# KiCad board FP Interface Card.kicad_pcb (continued)
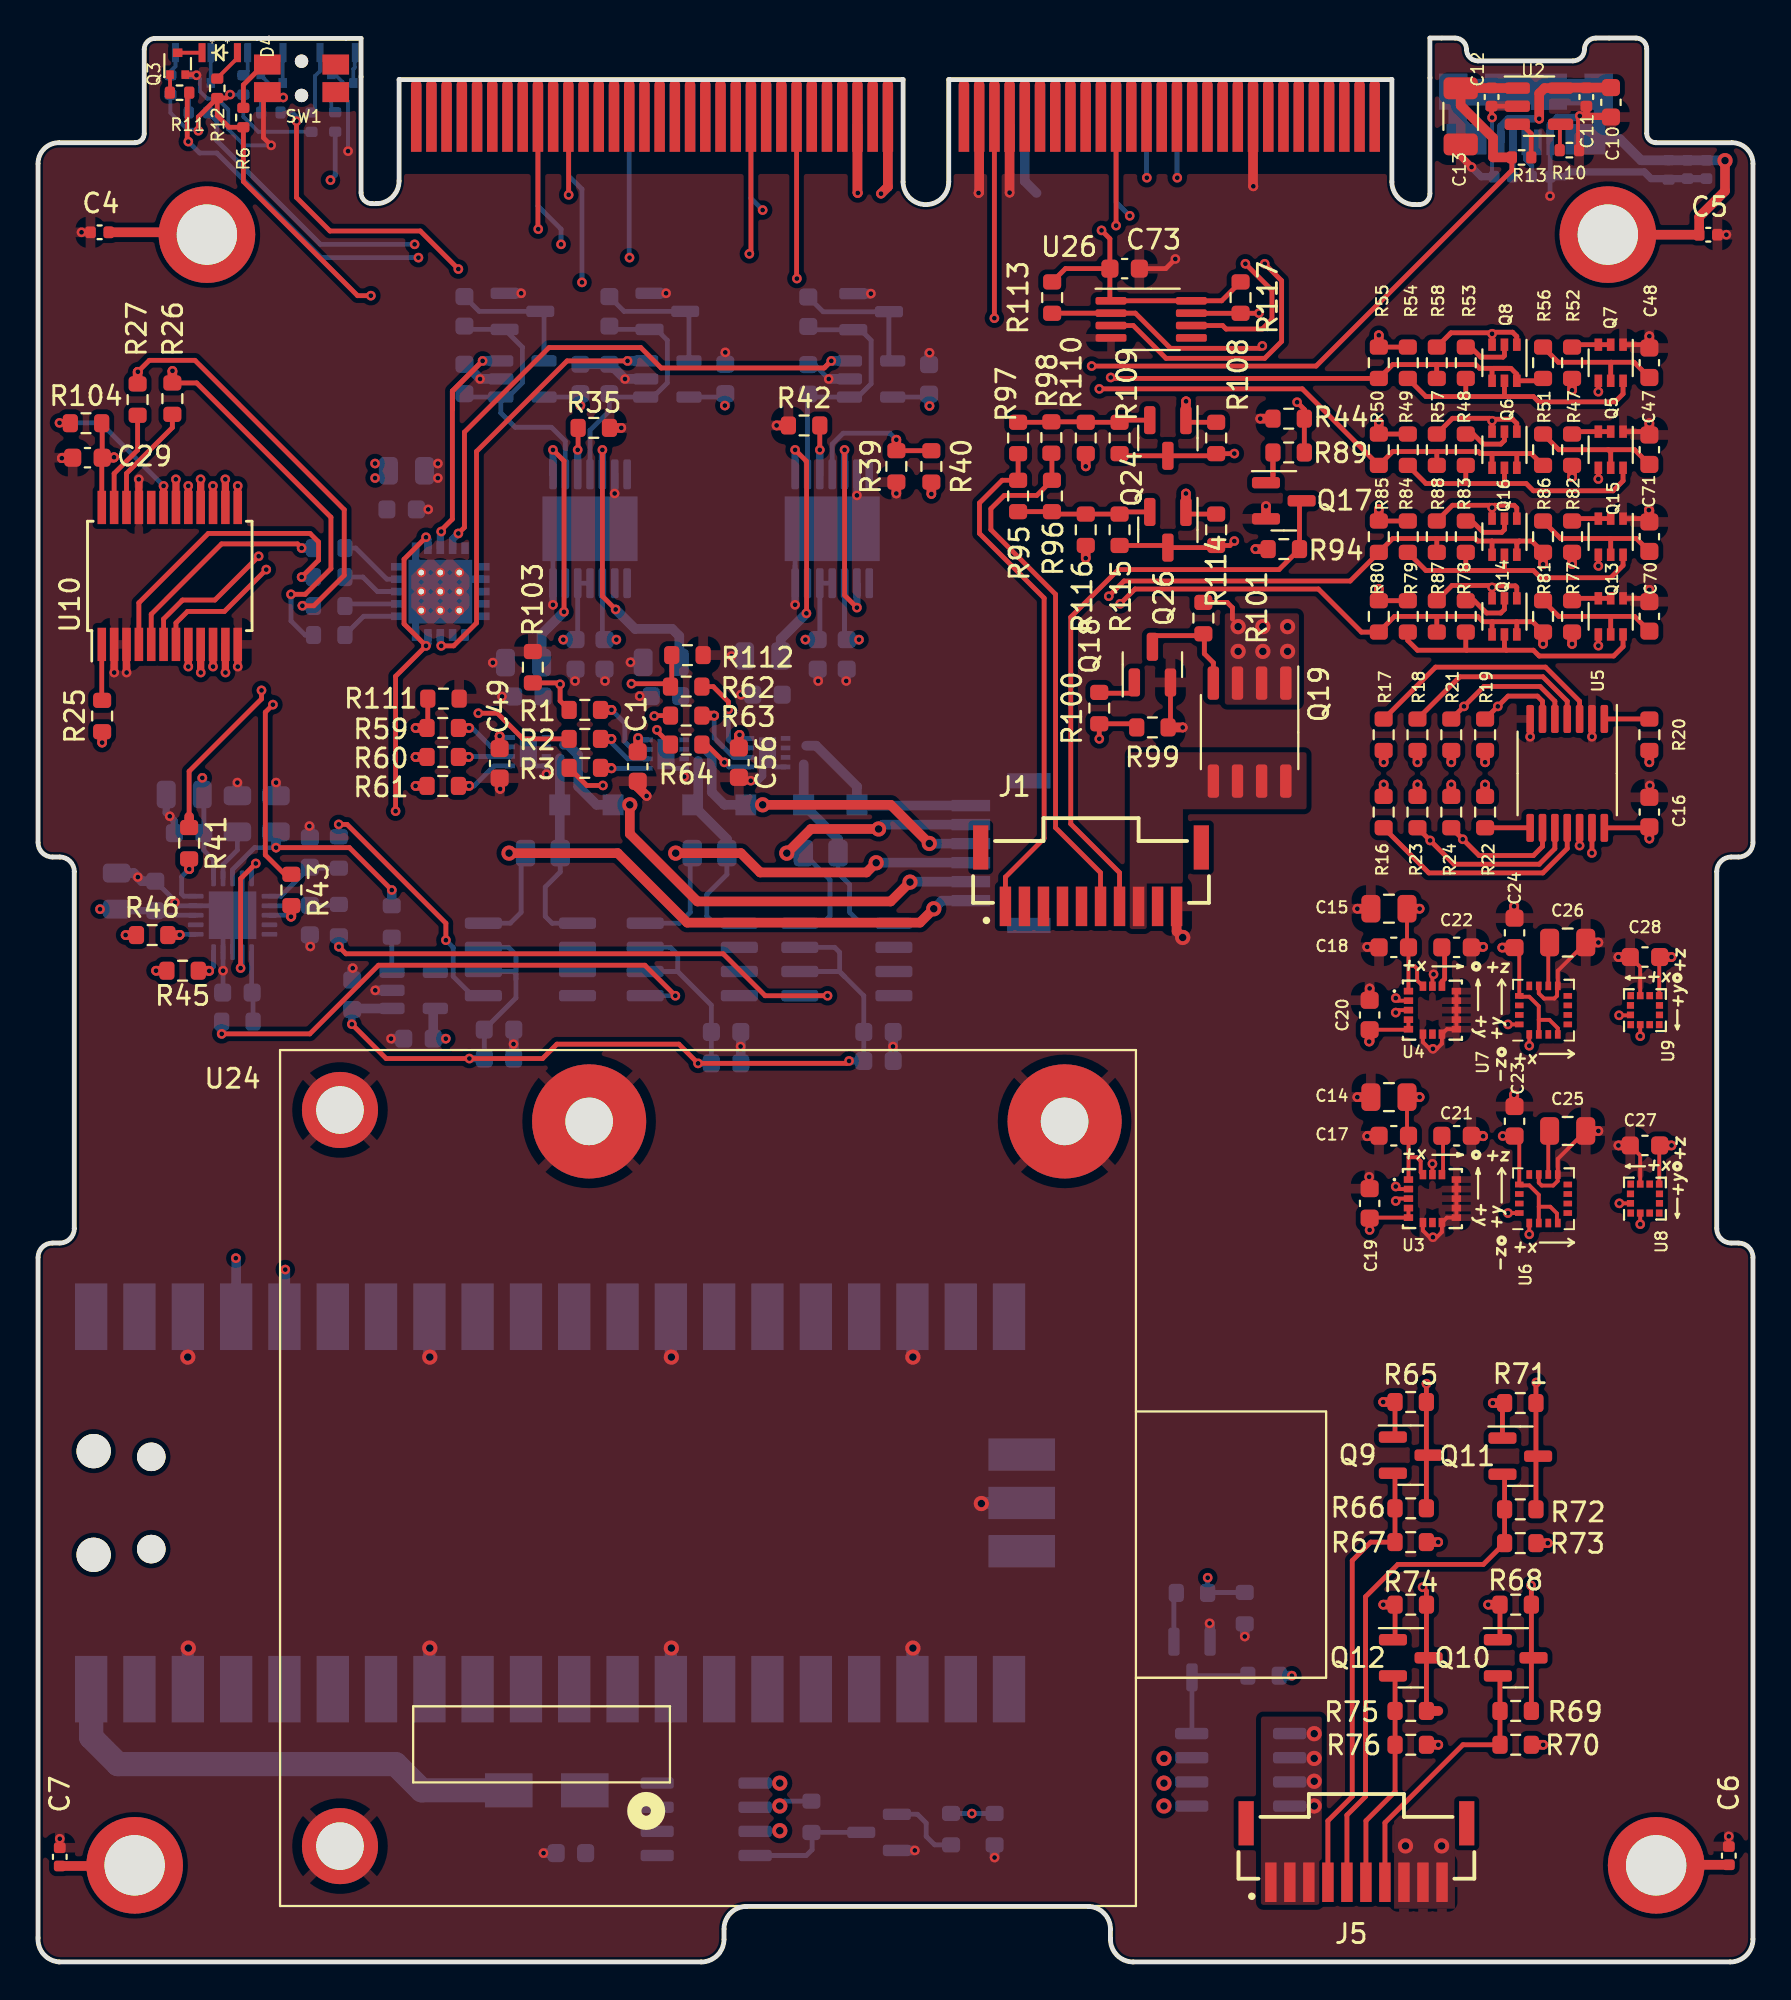
[diagram p0: board, top side]
## Nets (continued)
Net-(R46-Pad2): R46.2 U14.16
Net-(R59-Pad2): R59.2 U16.7
Net-(R60-Pad2): R60.2 U16.6
Net-(R61-Pad2): R61.2 U16.5
Net-(R62-Pad2): R62.2 U19.7
Net-(R63-Pad2): R63.2 U19.6
Net-(R64-Pad2): R64.2 U19.5
Net-(R93-Pad2): R93.2 U13.3
Net-(R102-Pad1): U13.4
Net-(U14-Pad12): U14.5 U14.12

Pads without a net: J1 S1 S2; J3 4; J4 S1 S2; J5 S1 S2; U3 7; U4 7; U6 3 5 6 7 8 12 14 15; U7 3 5 6 7 8 12 14 15; U8 1 3 4 5 6 8 10 11; U9 1 3 4 5 6 8 10 11; U10 20; U11 5 6 8 9 10 11 12; U12 7 8; U14 9 10 17; U15 7 8; U25 1 2 6 7 9 10 11 12 14 15 16 17 19 20 21 22 24 25 26 27 29 30 31 32 34 35 36 37 39 41 43; U26 5

## Via types
v1: diameter 0.8, hole 0.4, Top to Bottom, 39 vias
v2: diameter 0.508, hole 0.254, Top to Bottom, 314 vias

## Routing (per net, layer and track width the routed paths; a pad name or vN(x,y) marks a point on that pad's centre or on a via; arc(x,y) is an arc through that point)
3.3V: length 120.1
  Top w0.203: U9.7 85.24,52.81 ; U3.4 U3.5 70.04,39.13 ; 78.91,49.53 79.47,49.53 79.91,49.09 U7.4 ; 78.91,49.53 78.91,50.25 78.41,50.74 77.93,50.74 ; 78.91,49.53 U7.2 ; 78.91,39.7 79.51,39.7 79.86,39.35 79.86,38.89 ; 78.91,39.7 U6.2 ; 78.91,39.7 78.91,40.33 78.41,40.83 77.93,40.83 ; 72.06,52.36 72.06,53.34 ; 72.06,52.36 72.37,52.36 72.51,52.21 72.51,51.6 U4.16 ; 72.06,52.36 U4.1 ; 70.01,49.01 72.03,49.01 ; U6.13 77.88,43.17 ; U3.16 72.7,41.51 72.7,42.1 72.49,42.3 72.06,42.3 ; U4.4 U4.5 ; C14.1 71.98,43.51 ; 72.06,42.3 72.06,41.13 ; 72.06,42.3 C17.1 ; C15.1 71.98,53.42 ; U8.7 85.24,42.9 ; 77.88,53.08 U7.13
  Top w0.254: 56.36,89.02 56.36,90.59 v2(55.92,91.03) ; 56.36,89.02 54.02,89.02 R113.1 ; 56.36,89.02 56.36,87.39 U26.1 U26.8 62.24,87.33 R117.1 ; R65.1 71.35,27.71 ; R50.1 R49.1 ; C29.1 3.37,80.87 R104.2 ; R54.1 R55.1 ; U5.14 84.67,59.62 ; R80.1 R79.1 ; U10.24 3.35,79.06 ; R108.1 60.47,80.94 ; R74.1 71.35,17.05 ; R85.1 R84.1 ; R114.1 60.47,76.12 ; R68.1 76.87,17.05 ; Q11.1 77,29.27
  Top w0.381: 72.02,45.47 v2(72.64,45.47) ; 3.42,79.11 v2(4,79.11) ; 77.61,53.33 v2(76.99,53.33) ; 69.99,49.01 v2(69.99,48.39) ; C19.1 v2(70.01,38.48) ; v2(31.55,64.35) 31.55,63.64 ; C23.1 v2(77.01,43.42) ; 72.02,55.37 v2(72.64,55.37)
  Top w0.508: R68.1 v2(76.25,18.78) ; R82.1 v2(80.66,73.48) ; v2(80.66,82.63) R52.1 ; v2(4,79.11) 3.97,79.08 C29.1 ; v2(70.5,85.52) R55.1 ; C27.1 v2(85.89,42.93) ; v2(70.75,61.9) R16.1 ; P1.63 44.68,93.32 v2(44.32,92.96) ; v2(70.75,63.07) R17.1 ; v2(76.99,53.33) C24.1 ; Q24.1 60.36,82.04 v2(60.36,82.05) ; v2(70.5,76.38) R85.1 ; v2(70.5,80.95) R50.1 ; C14.1 v2(72.64,45.47) ; v2(74.31,63.07) R21.1 ; v2(72.53,63.07) R18.1 ; v2(70.5,72.19) R80.1 ; R24.1 v2(74.31,61.9) ; C56.1 36.85,64.48 v2(36.88,64.51) ; C49.1 24.27,64.45 v2(24.27,64.45) ; v2(72.64,55.37) C15.1 ; R71.1 v2(76.49,29.38) ; R74.1 v2(70.73,18.78) ; v2(76.09,61.9) R22.1 ; R23.1 v2(72.53,61.9) ; v2(76.09,63.07) R19.1 ; R25.1 v2(3.37,64.1) ; v2(69.99,48.39) 70.01,48.41 70.01,49.01 ; R47.1 v2(80.66,78.05) ; v2(85.89,52.83) C28.1 ; R77.1 v2(80.66,69.29) ; C16.1 v2(84.72,59.05) ; R20.1 v2(84.72,63.07) ; Q26.1 v2(60.36,77.2) ; 31.55,63.64 31.55,64.29 ; R65.1 v2(70.73,29.44)
  Bottom w0.254: v2(24.27,64.45) 24.34,64.38 U16.8 ; v2(36.88,64.51) 37.07,64.32 U19.8 ; U1.8 31.65,64.25 v2(31.55,64.35) ; U14.1 9.23,57.93 8.72,58.44 C40.1 8.72,61.3 ; U14.18 6.41,55.03
  Bottom w0.381: C39.1 4.21,55.27
  Bottom w0.508: v2(21.44,48.54) C43.1 20.78,50.02 U13.5 ; P1.63 44.68,93.32 v2(44.32,92.96) ; C35.1 v2(3.26,55.35) ; C36.1 v2(8.64,62.25)
  vias: v2(17.72,78.78) v2(17.72,78.01)
5V_RF: length 8.1
  Top w0.254: 62.8,70.6 62.8,71.2 62.53,71.47 R101.1
  Top w0.508: R110.1 v2(55.09,78.63) ; R116.1 v2(55.09,73.8) ; R94.1 v2(64.01,74.28)
  Bottom w0.508: P1.73 51.88,93.62 52.5,93
  vias: v1(63.1,70.2) v1(63.1,68.9) v1(64.4,70.2) v1(64.4,68.9) v1(65.7,70.2) v1(65.7,68.9)
+5V: length 38.2
  Top w0.508: R70.1 v2(79.14,11.42) ; P1.59 43.08,93.02 v2(43.1,93) ; R39.1 v2(46.97,77.18) ; R67.1 v2(73.62,22.07) ; R73.1 v2(79.38,22.02) ; R76.1 v2(73.62,11.42)
  Bottom w0.254: v1(39,8.2) 39.26,8.45 R92.1 ; U12.10 29.67,69.63 ; 28.37,69.63 U12.12 U12.11 ; U22.5 28.34,82.27 ; 41.11,69.63 U15.12 U15.11 ; U21.5 35.96,82.27 ; U15.10 42.41,69.63 ; U23.5 46.7,82.27
  Bottom w0.381: 42.54,69.52 v2(43.17,69.52) ; 28.24,69.52 v2(27.62,69.52) ; 40.97,69.52 v2(40.35,69.52) ; 46.88,82.43 v2(46.88,81.8) ; 36.11,82.45 v2(36.11,81.82)
  Bottom w0.508: R107.1 v2(65.93,15.05) ; v2(36.11,81.82) 36.14,81.85 C61.1 ; v2(43.17,69.52) C38.1 ; v2(46.88,81.8) 46.85,81.83 C67.1 ; C64.1 v2(28.52,81.82) ; C33.1 v2(27.62,69.52) ; v2(40.35,69.52) C41.1 ; C32.1 v2(30.41,69.52) ; v2(43.1,93) 43.08,93.02 P1.59
  vias: v1(39,9.4) v1(39,6.9) v1(59.2,10.7) v1(59.2,9.4) v1(59.2,8.2)
/5V_USB: length 111.5
  Top w0.203: v2(10.1,98.17) 9.92,97.99 R12.1
  Top w0.254: R12.1 9.42,97.07 10.04,96.45 R6.1 10.8,93.6 16.8,87.6 v2(17.5,87.6) ; R12.1 8.43,97 v2(8.43,96.27) ; R12.1 9.9,97.99 ; P1.70 v2(50.28,86.42) ; R13.1 77.49,94.19 67.2,83.9 v2(55.4,83.9)
  Top w0.508: 77.82,98.51 74.81,98.51 ; C13.1 74.8,97.6 76.5,95.9 76.5,94.87 77.49,94.87
  In2.Cu w0.254: v2(17.5,87.6) 23.3,87.6 24.5,86.4 52.9,86.4 v2(55.4,83.9)
  Bottom w0.203: 14.37,96.22 11.58,96.22 10.8,97 10.8,98.17 10.1,98.17 v2(10.1,98.17) ; 6.96,98.17 6.96,97.22 7.86,96.32 8.38,96.32 v2(8.43,96.27)
/Magnetotorquer Drivers/2.5V_ADCout: length 11.9
  Top w0.254: v2(18.6,56.35) 16.37,58.58 v2(12.51,58.58)
  Bottom w0.25: U14.3 10.23,57.43 11.38,58.58 v2(12.51,58.58)
  Bottom w0.508: C45.1 v2(12.51,58.58) ; R93.1 v2(18.6,56.35)
/Magnetotorquer Drivers/2.5V_Vref: length 93.8
  Top w0.254: v2(42.64,47.37) 42.52,47.24 v2(34.7,47.24) 33.69,48.25 27.28,48.25 26.53,47.49 v2(22.68,47.49) 18.31,47.49 v2(16.5,49.3) ; v2(20.4,74.9) 19.25,73.75 19.25,70.35 v2(20.4,69.19) 18.8,67.59 v2(18.8,60.5)
  In2.Cu w0.254: v2(18.8,60.5) 19.3,60 19.3,51.3 17.3,49.3 v2(16.5,49.3)
  Bottom w0.254: 42.4,51.81 42.15,52.07 42.15,53.08 41.89,53.34 U20.7 ; 42.4,51.81 42.14,52.07 U20.6 ; 42.4,51.81 43.42,50.8 C60.1 C59.1 ; 33.63,52.07 35.4,50.3 C55.1 35.4,47.37 ; 33.63,52.07 U18.6 ; 33.63,52.07 33.63,52.96 33.25,53.34 U18.7 ; C52.1 C53.1 25.13,50.68 25.13,51.68 ; 25.13,51.68 25.13,52.95 24.74,53.34 23.42,53.34 ; 25.13,51.68 25.13,51.94 25,52.07 23.42,52.07
  Bottom w0.381: v2(20.4,74.9) 20.5,74.8 20.5,74.29 ; v2(16.5,49.3) 16.5,50.05 ; v2(42.64,47.37) C59.1 ; v2(22.68,47.49) C52.1 ; v2(20.4,69.19) 20.5,69.29 20.5,69.79 ; v2(34.7,47.24) 35.29,47.24
  Bottom w0.508: U13.1 16.58,50.13
GND: length 227.8
  Top w0.203: 79.87,51.28 79.87,50.79 79.73,50.65 79.18,50.65 78.91,50.92 U7.11 ; 79.9,41.39 79.9,41.05 79.67,40.82 79.06,40.82 78.91,40.97 U6.11 ; v2(73.38,51.92) 73.32,51.87 U4.15 ; v2(81.06,97.05) 80.97,96.96 80.97,95.31 ; U4.6 72.82,48.35 73.17,48.01 v2(73.34,48.01) 73.55,48.01 73.82,48.28 U4.8 74.08,49.04 U4.9 U4.13 ; U6.9 79.91,42.22 C25.2 ; 73.17,38.1 72.82,38.45 U3.6 ; 83.72,42.93 84.24,42.4 U8.9 ; U3.15 v2(73.32,41.96) ; 83.72,52.83 84.24,52.31 U9.9 ; v2(12.89,98.02) 12.34,98.02 ; U7.9 79.91,52.11 81.38,53.58 ; U3.13 U3.9 74.08,39.13 U3.8 73.82,38.37 73.55,38.1
  Top w0.25: C4.1 v2(2.29,90.93) ; C5.1 v2(88.77,90.8) ; C6.1 v2(88.9,6.6) ; C7.1 v2(1.14,6.48) ; 11.85,98.1 11.85,95.91 v2(12.26,95.5)
  Top w0.254: C11.2 81.41,96.96 82.68,96.96 ; Q7.1 84.55,85.02 ; v2(8.33,99.19) 8.3,99.22 Q3.2 ; C73.2 59.29,89.02 v2(59.8,89.53) ; Q5.1 84.55,80.45 ; U5.2 v2(81.7,64.41) ; Q18.2 59.54,65.03 ; Q13.1 84.55,71.69 ; Q7.4 v2(82.04,82.55) ; Q5.4 v2(82.04,77.96) ; Q15.4 v2(82.04,73.39) ; 77.82,97.56 76.43,97.56 ; Q13.4 v2(82.04,69.2) ; Q15.1 84.55,75.88 ; C12.2 76.43,96.99 v2(76.45,96.96) ; U5.7 v2(78.45,64.41)
  Top w0.381: C13.2 74.8,94.93 v2(75.37,94.36) ; v2(4.01,67.79) 4,67.79 U10.2 ; U10.12 10.5,68.1 v2(10.5,68.1) ; 24.3,62.24 v2(24.3,61.67) ; 84.75,61.23 v2(84.75,61.85) ; 69.99,45.47 v2(69.37,45.47) ; 77.61,54.88 v2(77.61,55.5) ; 69.99,40.65 v2(69.99,41.27) ; 81.41,97.03 82.66,97.03 ; 81.41,97.03 81.09,97.03 v2(81.06,97.05) ; 81.41,97.03 C11.2 ; 84.7,75.7 v2(84.7,76.33) ; 70.51,43.41 v2(69.89,43.41) ; U10.3 4.65,67.79 ; 77.61,44.97 v2(77.61,45.59) ; 1.82,79.06 v2(1.25,79.06) ; 70.51,53.36 v2(69.89,53.36) ; 81.42,43.69 v2(82.04,43.69) ; 75.36,53.36 v2(75.98,53.36) ; U10.21 5.3,77.94 ; 69.99,55.37 v2(69.37,55.37) ; 75.36,43.41 v2(75.98,43.41) ; 81.42,53.59 v2(82.04,53.59) ; v2(37.48,62.1) 37.03,62.1
  Top w0.508: v2(69.89,43.41) 69.91,43.43 70.51,43.43 ; P1.103 63.88,93.37 v2(63.9,93.35) ; C26.2 v2(82.04,53.59) ; v2(69.89,53.36) 70.48,53.36 ; R42.1 v2(38.83,80.78) ; C20.2 v2(70.01,51.18) ; v2(60.19,64.9) 60.18,64.9 R99.2 ; C14.2 v2(69.37,45.47) ; C25.2 v2(82.04,43.69) ; C15.2 v2(69.37,55.37) ; 83.72,42.93 v2(83.1,42.93) ; C49.2 24.27,61.69 v2(24.3,61.67) ; R35.1 v2(30.67,80.65) ; 31.51,62.07 31.51,61.79 v2(32,61.3) ; v2(83.1,52.83) 83.72,52.83 ; C70.2 v2(84.72,72.14) ; v2(77.61,55.5) 77.61,54.9 ; v2(84.7,76.33) 84.72,76.3 C71.2 ; J1.10 59.87,54.18 v1(60.19,53.86) ; C47.2 v2(84.72,80.9) ; 45.13,77.71 v2(45.13,77.2) ; v2(77.61,45.59) 77.61,45 ; v2(75.98,53.36) 75.39,53.36 ; v2(84.72,85.47) C48.2 ; C21.2 75.96,43.43 v2(75.98,43.41) ; C29.2 1.28,79.08 v2(1.25,79.06) ; P1.67 49.48,93.03 v2(49.45,93) ; P1.72 v2(51.08,93.02) ; R44.2 v2(64.26,81.13) ; Q17.2 v2(64.56,76.53)
  Bottom w0.203: v2(76.45,96.96) 76.45,96.96 76.45,93.96 ; Q2.2 12.26,98.64 12.26,98.23 12.47,98.02 v2(12.89,98.02) ; v2(16.3,95.2) 16.3,97.8 16,98.1 16,98.84 15.66,99.18 Q4.2 ; v2(12.26,95.5) 10.85,95.5 10,96.35 10,97.39 9.43,97.96 8.9,97.96 8.51,98.35 8.51,99.01 v2(8.33,99.19)
  Bottom w0.25: U14.13 U14.21 ; U14.14 9.73,54.53 ; U14.4 10.73,55.53 ; U14.19 9.73,55.53
  Bottom w0.254: Q1.2 8.32,99.18 v2(8.33,99.19) ; U14.19 7.37,55.53 v2(7.2,55.7) 7.2,55.78 C39.2 ; U14.14 v2(9.73,52.11) 9.73,50.98 ; v2(33.97,62.32) 33.97,62.32 U1.4 33.44,62.75 33.02,63.17 ; Z1.2 v2(79.5,92.84) ; 40.82,83.98 v2(41.58,83.22) ; C9.2 85.79,93.75 ; U15.6 43.06,76.65 ; U15.14 39.81,73.4 ; 39.81,72.91 39.81,73.82 ; 27.07,72.93 27.07,73.85 ; 25.78,63.29 26.2,62.88 U16.4 26.73,62.45 ; 38.35,63.24 38.77,62.82 U19.4 ; J3.5 79.51,93.86 ; U12.6 30.32,76.65
  Bottom w0.381: v2(81.06,97.05) 80.98,96.97 79.89,96.97 79.51,96.59 J3.5 ; 32.21,66.55 v2(31.64,66.55) ; 19.85,74.29 19.85,73.34 ; v2(43.06,77.1) U15.6 ; 41.02,67.97 v2(41.02,67.35) ; 24.2,83.22 v2(23.24,83.22) ; 42.53,83.22 v2(41.58,83.22) ; 14.32,53.96 v2(14.32,53.39) ; 46.88,83.98 v2(46.88,84.6) ; 14.27,59.14 v2(14.27,59.71) ; v2(27.07,71.35) U12.14 ; 38.1,63 38.1,62.36 37.84,62.1 v2(37.48,62.1) ; 31.72,68.33 v2(31.15,68.33) ; v2(39.81,71.35) U15.14 ; U12.6 30.32,77.21 v2(30.32,77.2) ; 23.4,72.69 22.45,72.69 ; 24.97,66.53 v2(24.4,66.53) ; 31.82,83.22 v2(30.86,83.22) ; 16.54,51.62 v2(16.54,52.25) ; 18.35,51.08 v2(17.73,51.08) ; v2(75.37,94.36) 75.88,93.85 Z2.2 ; 37.08,68.65 v2(36.46,68.65) ; 29.81,67.97 v2(29.81,67.35) ; C9.2 84.81,93.75 84.46,94.11 80.52,94.11 80.26,93.85 Z1.2 ; 25.07,87.73 v2(25.4,87.73) ; 43.17,87.71 v2(43.79,87.71) ; 28.24,67.97 v2(28.24,67.35) ; 24.49,68.31 v2(23.91,68.31) ; 19.85,69.79 19.85,70.74 ; 42.49,67.97 v2(42.49,67.35) ; C40.2 7.17,59.99 v2(6.93,60.23) 6.74,60.42 C36.2
  Bottom w0.508: C59.2 C60.2 ; C43.2 v2(18.56,48.54) ; v2(36.96,66.62) C57.2 ; v2(43.79,87.71) RN3.2 ; 25.07,87.73 RN2.2 v2(25.4,87.73) ; C34.1 14.29,59.69 v2(14.27,59.71) ; P1.103 63.88,93.37 v2(63.9,93.35) ; C61.2 v2(36.14,84.62) ; C51.2 v2(23.91,68.31) ; U22.2 v2(23.24,83.22) 22.47,84 ; C52.2 C53.2 ; v2(28.24,67.35) 28.24,67.94 ; Q22.2 61.62,17.78 v2(61.6,17.8) ; v2(29.81,67.35) 29.81,67.94 ; C39.2 5.47,56.82 v2(5.25,57.03) 5.04,57.25 C35.2 ; P1.67 49.48,93.03 v2(49.45,93) ; v2(14.32,53.39) 14.29,53.41 C42.1 ; C46.2 v2(10.48,62) ; v2(41.02,67.35) 41.02,67.94 ; C50.2 v2(24.4,66.53) ; R90.2 v2(50.29,5.49) ; v2(42.49,67.35) 42.49,67.94 ; R105.2 v2(63.45,17.11) ; v2(33.02,87.73) RN1.2 ; Q20.2 v2(46.1,5.86) ; U25.3 v1(7.87,31.8) ; v2(31.64,66.55) 32.24,66.55 ; U21.2 v2(30.86,83.22) 30.09,84 ; v2(36.46,68.65) C58.2 ; C67.2 46.85,84.57 v2(46.88,84.6) ; U13.2 v2(17.73,51.08) ; C44.2 16.52,52.22 v2(16.54,52.25) ; C64.2 C63.2 ; C45.2 v2(12.51,62) ; C72.2 v2(26.58,5.72) ; v2(41.58,83.22) U23.2 ; 36.95,47.37 C55.2 ; v2(31.15,68.33) C3.2
  Bottom w0.635: v1(20.6,31.8) 20.57,31.83 U25.8 ; U25.38 7.87,16.47 v1(7.9,16.5) ; v1(33.3,16.5) 33.27,16.47 U25.28 ; U25.18 45.97,31.83 v1(46,31.8) ; U25.13 33.27,31.83 v1(33.3,31.8) ; v1(20.6,16.5) 20.57,16.47 U25.33 ; U25.23 45.97,16.47 v1(46,16.5) ; v1(49.6,24.1) 49.63,24.13 U25.42
  vias: v1(71.9,6.1) v1(73.8,6.1) v2(4.66,67.79) v2(5.3,77.95) v2(20.52,76.36) v2(21.02,78.78) v2(21.02,78.01) v2(25,48.26) v2(26.73,62.44) v2(36.94,48.13) v2(44.95,48.13) v2(73.34,38.1)
/CHS: length 53.2
  Top w0.508: C4.2 8.76,90.93 ; v1(88.7,94.7) 88.7,93.1 87.34,91.74 C5.2 82.55,90.8 ; C7.2 5.04,5.04 ; C6.2 85.11,5.11
  Bottom w0.508: 81.34,98.74 80.45,98.74 ; 80.33,97.85 81.34,97.85 ; 87.71,94.72 R5.1 84.29,94.72 83.18,95.83 J3.6 82.42,96.89 82.42,97.54 82.06,97.9 ; 78.68,98.81 77.79,98.81 ; 74.87,97.28 74.87,96.71 75.11,96.47 J3.6 74.41,96.53 J3.6 J3.6 82.06,96.53 ; 76.49,98.33 76.07,98.74 75.18,98.74 ; v1(88.7,94.7) 88.69,94.71 C9.1 ; 74.58,98.33 75.06,97.85 76.07,97.85 ; 77.66,97.92 78.68,97.92
/H1-5: length 144.7
  Top w0.254: v2(78.5,19.8) 78.52,19.78 R68.2 78.52,16.1 ; R69.1 78.52,15.88
  In2.Cu w0.254: v2(19.8,90.3) v2(27.5,90.3) 27.6,90.4 53.4,90.4 61.34,82.46 61.34,32.56 73.4,20.5 77.8,20.5 v2(78.5,19.8)
  Bottom w0.254: P1.17 26.28,92.32 27.5,91.1 v2(27.5,90.3) ; R4.2 9.4,96.77 9.4,95.75 14.85,90.3 v2(19.8,90.3)
/H1-6: length 111.1
  Top w0.254: 73,26.76 R65.2 73,30.4 v2(73,30.4) ; v2(26.3,91.1) 26.28,91.12 P1.18 ; R66.1 73,26.53
  In2.Cu w0.254: v2(73,30.4) 67.5,30.4 61.8,36.1 61.8,82.9 53.84,90.86 38.44,90.86 38.2,91.1 v2(26.3,91.1)
/H1-7: length 81.5
  Top w0.254: v2(55.8,64.3) 55.8,64.3 R100.1 57.58,65.09
  In2.Cu w0.254: v2(55.8,64.3) 55.8,68.9 57.9,71 57.9,82.75 53.53,87.12 32.46,87.12 32.44,87.14 29.76,87.14 v2(28.6,88.3) 28.59,88.31 18.39,88.31 15.38,91.32 v2(15.38,93.67)
  Bottom w0.254: v2(15.38,93.67) 15.63,93.93 R14.2 ; P1.21 27.88,93.92 28.6,93.2 v2(28.6,88.3)
/H1-8: length 51.1
  Top w0.254: v2(66.2,82) 66.58,81.62 R44.1 R89.1 ; v2(27.9,92.9) 27.9,96.55
  In2.Cu w0.254: v2(66.2,82) 58.6,89.6 58.6,91.7 57.8,92.5 54.8,92.5 54.1,91.8 39.6,91.8 38.5,92.9 v2(27.9,92.9)
/H1-11: length 132.4
  Top w0.254: 7.85,98.17 7.85,95.75 v2(7.9,95.7)
  In2.Cu w0.254: v2(61.5,20.2) 59,22.7 59,83.1 53,89.1 37,89.1 36.5,89.6 v2(31.1,89.6) v2(20,89.6)
  Bottom w0.254: v2(7.9,95.7) 8.5,95.1 9.4,95.1 14.9,89.6 v2(20,89.6) ; v2(31.1,89.6) 31.08,89.62 P1.29 ; R105.1 61.52,19.42 ; R106.1 61.5,20.2 v2(61.5,20.2)
/H1-19: length 104.8
  Top w0.254: v2(78.78,30.47) 78.76,30.45 R71.2 78.76,26.7 ; R72.1 78.76,26.48
  In2.Cu w0.254: v2(38.1,92.1) 38.89,91.31 54.49,91.31 62.26,83.54 62.26,36.74 67.9,31.1 78.15,31.1 v2(78.78,30.47)
  Bottom w0.254: P1.45 37.48,92.72 v2(38.1,92.1)
/H1-20: length 114
  Top w0.254: R75.1 73,15.88 ; v2(37.4,89.8) 37.48,89.88 P1.46 ; 73,16.1 R74.2 73,19.5 v2(72.8,19.7)
  Top w0.381: 73.4,13.2 73.62,13.2
  Top w0.508: 73.62,13.2 R75.1 73.4,13.2
  In2.Cu w0.254: v2(37.4,89.8) 37.6,89.6 53.5,89.6 59.5,83.6 59.5,76.1 59.46,76.06 59.46,23.74 63.5,19.7 v2(72.8,19.7)
/H1-39: length 30.9
  Top w0.254: R115.1 59.29,74.47 ; Q26.3 61.83,74.36 ; R114.2 62.67,74.47 v2(62.9,74.7)
  In2.Cu w0.254: v2(57.4,91.8) 57.4,90 63.6,83.8 63.6,75.4 v2(62.9,74.7)
  Bottom w0.254: P1.85 56.68,92.52 v2(57.4,91.8)
/H1-40: length 25.6
  Top w0.254: 56.98,79.18 Q24.3 61.83,79.18 ; v2(56.68,91.28) P1.86 ; R108.2 62.89,79.29 v2(62.9,79.3)
  In2.Cu w0.254: v2(56.68,91.28) 56.68,89.92 62.9,83.7 v2(62.9,79.3)
/H2-22: length 145.3
  Top w0.254: P1.52 39.88,88.52 v2(39.9,88.5) ; v2(22.1,89) 20.1,91 15.35,91 13.59,92.76 v2(13.59,96.77)
  In2.Cu w0.254: v2(49.1,7.8) 52.4,7.8 58.36,13.76 58.36,82.94 52.8,88.5 v2(39.9,88.5) 36.3,88.5 35.9,88.9 22.2,88.9 v2(22.1,89)
  Bottom w0.203: v2(13.59,96.77) 13.59,97.03 13.39,97.23 R8.2
  Bottom w0.254: 50.29,7.8 48.01,7.8
/I2C-Protection-1/SCL_IN: length 59
  Top w0.254: Q14.3 v2(76.45,72.26) ; v2(76.45,72.26) 76.35,72.36 74.35,72.36 R87.2 ; v2(76.45,72.26) 76.53,72.34 77.68,72.34 77.75,72.27 Q14.1 ; R57.2 74.37,81.15 76.33,81.15 v2(76.45,81.03) ; R113.2 53.33,86.68 U26.2 57.7,86.68 59.55,84.83 64.24,84.83 v2(64.37,84.96) ; v2(76.45,81.03) Q6.3 ; v2(76.45,81.03) 76.53,81.11 77.53,81.11 77.75,80.88 Q6.1
  In2.Cu w0.254: v2(64.37,84.96) 63.48,85.85 63.48,86.86 67.52,90.9 74.6,90.9 77.23,88.27 77.23,85.09 76.45,84.31 v2(76.45,81.03) 77,80.48 77,72.81 v2(76.45,72.26)
/I2C-Protection-1/SDA_IN: length 41.6
  Top w0.254: R88.2 74.37,76.58 76.33,76.58 v2(76.45,76.45) ; Q8.1 77.75,85.46 77.53,85.68 76.53,85.68 v2(76.45,85.6) ; U26.7 60.65,86.67 R117.2 64.19,86.67 v2(64.2,86.68) ; v2(76.45,85.6) 76.4,85.65 74.3,85.65 R58.2 ; v2(76.45,85.6) Q8.3 ; Q16.3 v2(76.45,76.45) ; v2(76.45,76.45) 76.58,76.58 77.61,76.58 77.75,76.44 Q16.1
  In2.Cu w0.254: v2(64.2,86.68) 67.61,90.1 74.3,90.1 76.45,87.95 v2(76.45,85.6) 75.88,85.03 75.88,77.02 v2(76.45,76.45)
/IMU/SCL_IMU1: length 39
  Top w0.203: v2(71.39,50.67) 71.52,50.54 U4.2 ; U7.1 v2(78.41,48.17) ; 83.71,49.77 v2(83.13,49.77)
  Top w0.254: U5.6 79.1,66.28 78.84,66.55 77.29,66.55 v2(76.75,66.01) R19.2
  In2.Cu w0.203: v2(83.13,49.77) 81.53,48.17 v2(78.41,48.17) 78.41,49.54 77.28,50.67 v2(71.39,50.67) 71.39,50.73 77.61,56.95 77.61,65.15 v2(76.75,66.01)
